# Altium PCB SwitcherBoard.PcbDoc
Units mil, origin at the board's own origin, x right, y up, seen from the top; angles counter-clockwise.
Board outline 2350 x 1600 mil, 2 copper layers (Top Layer, Bottom Layer); 20 components, 23 nets, 55 pads, 0 vias.
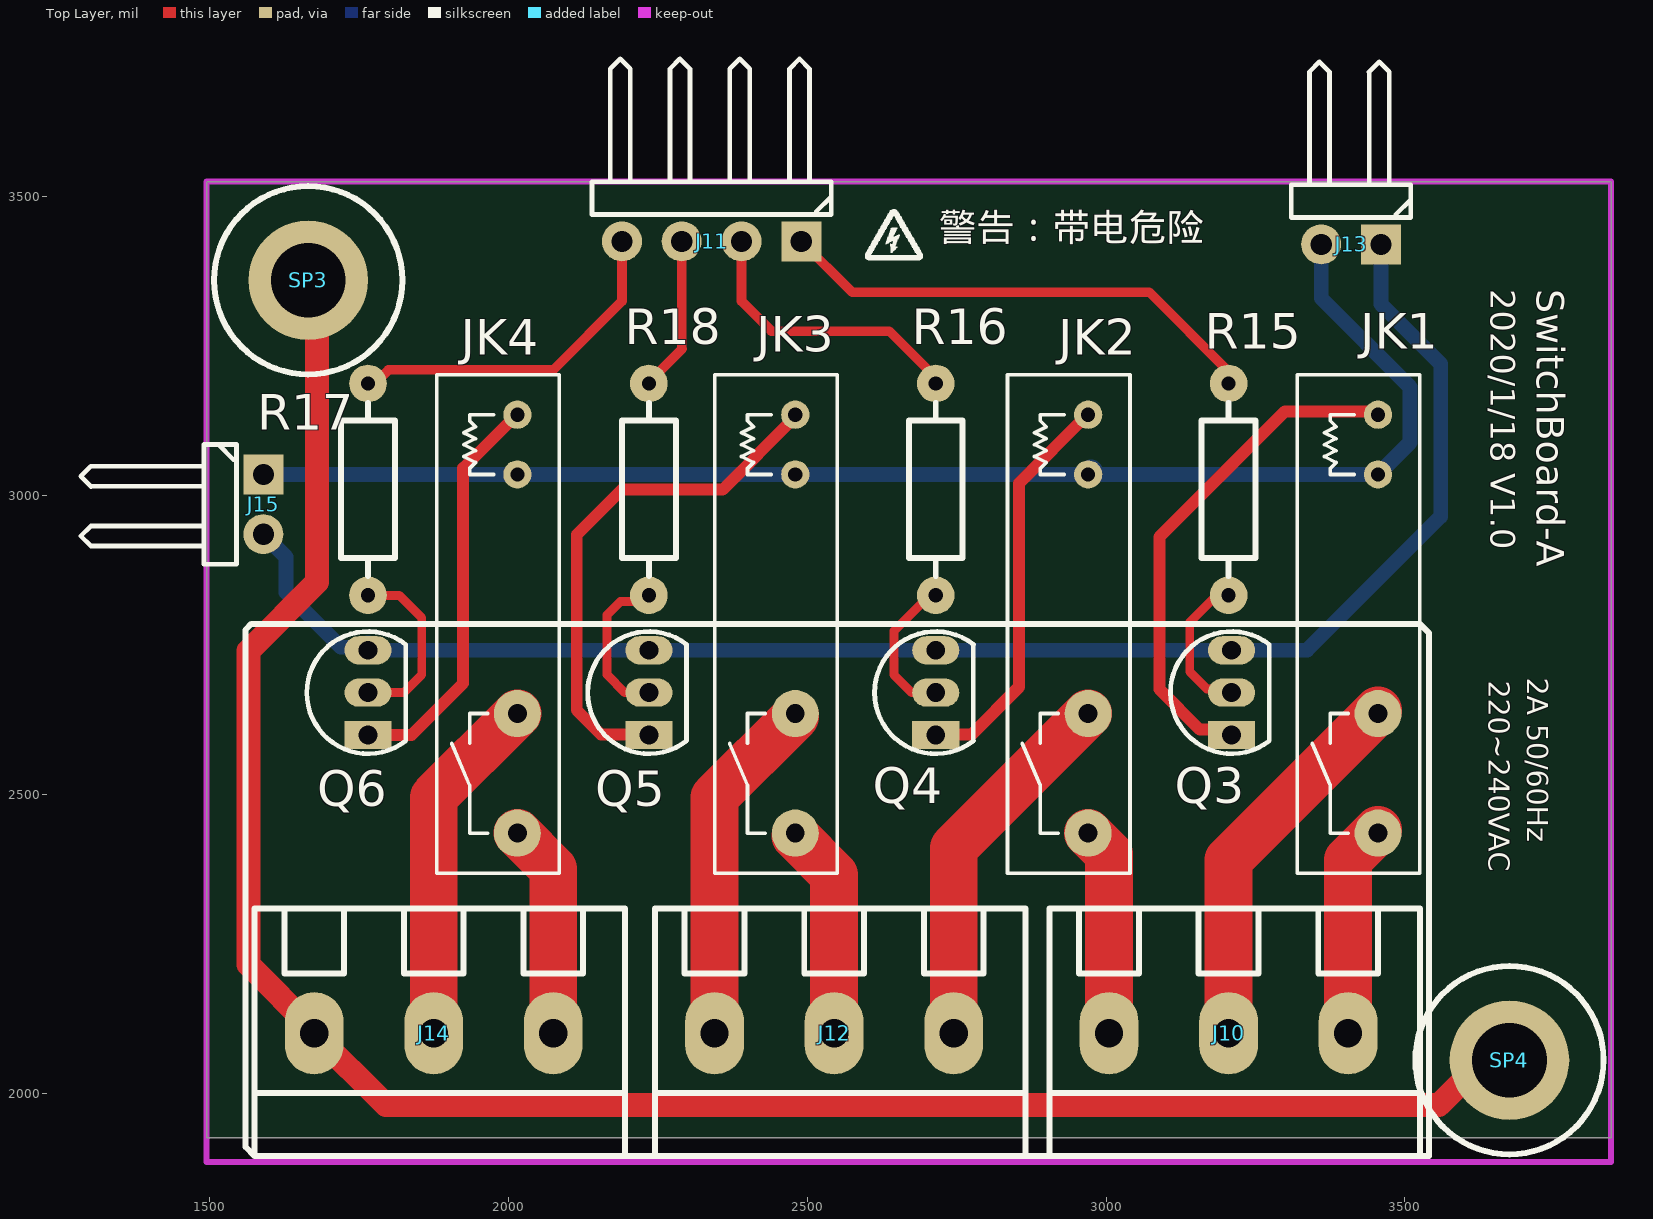
[diagram p0: Top Layer view]
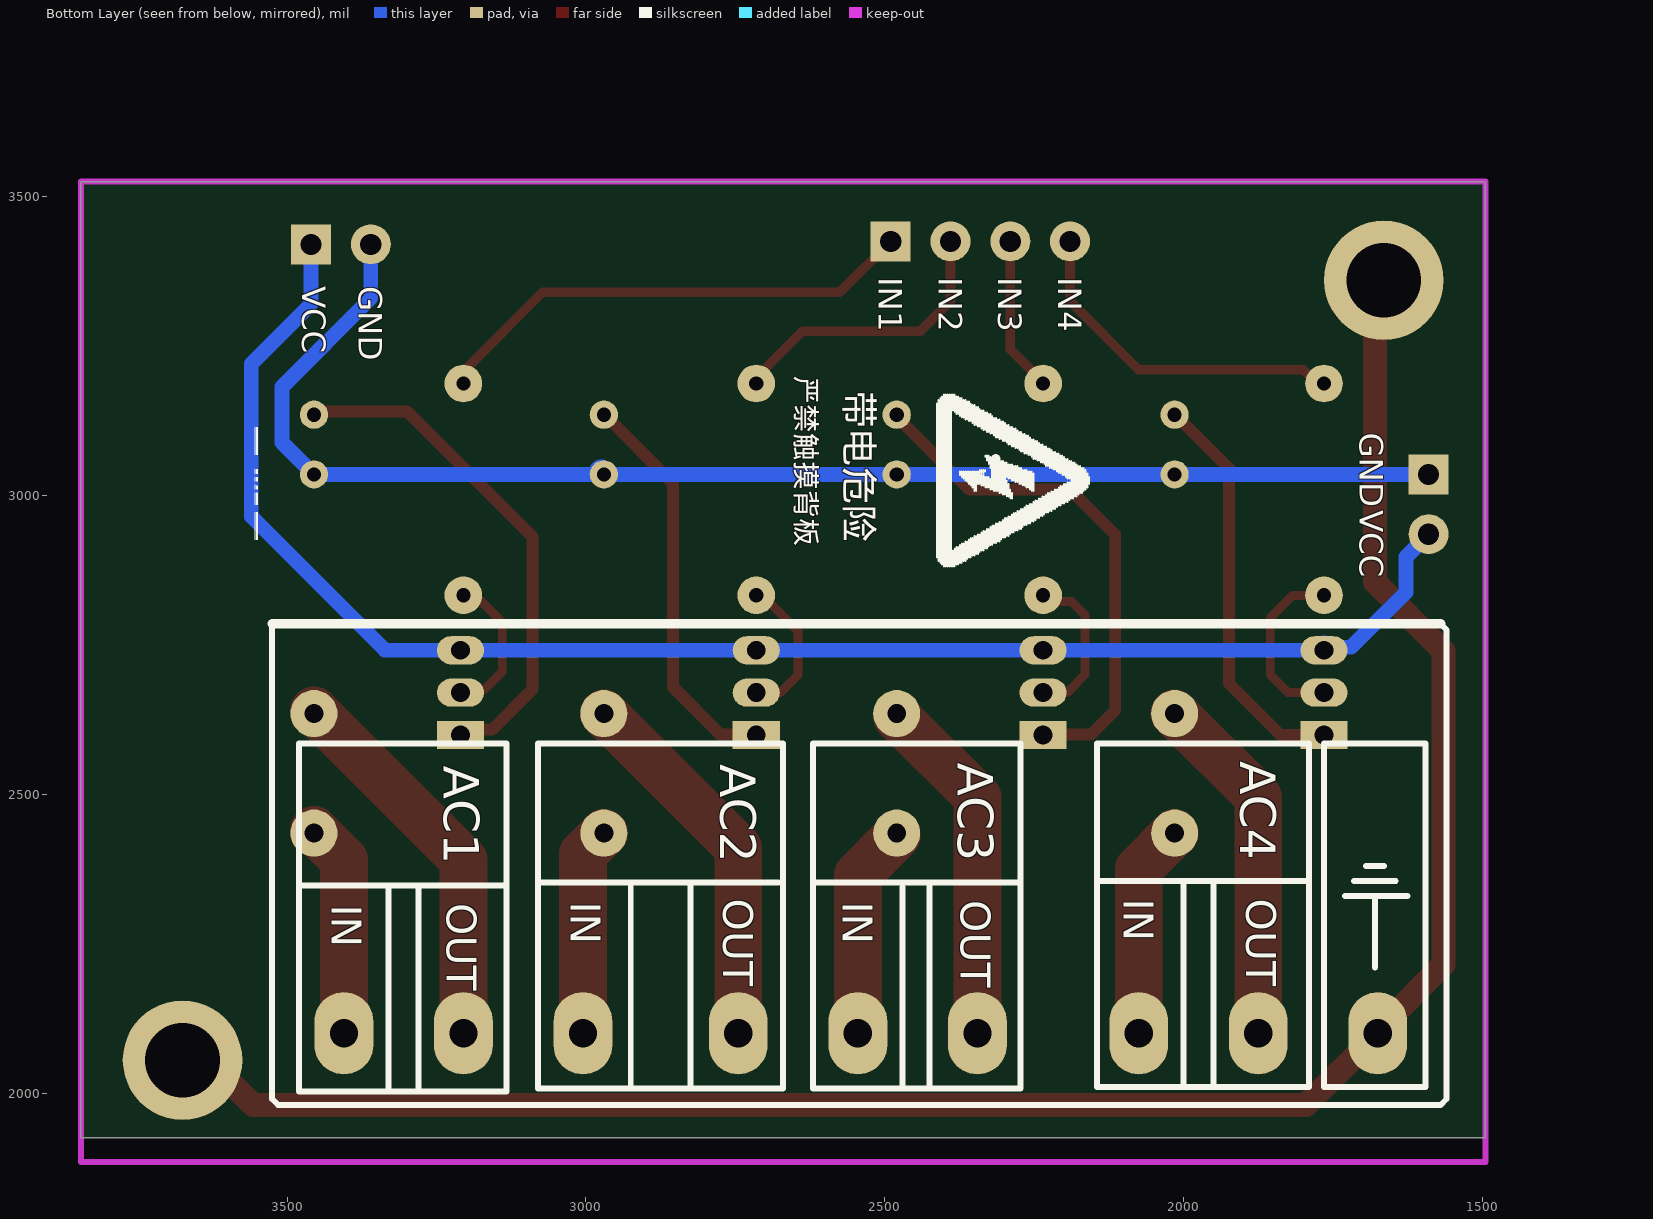
[diagram p1: Bottom Layer view, seen from below]

## Layer stack, top to bottom
Top Solder: solder mask 0.4, Solder Resist, Dk 3.5
Top Layer: signal copper 1.4
Dielectric 1: dielectric 12.6, FR-4, Dk 4.8
Bottom Layer: signal copper 1.4
Bottom Solder: solder mask 0.4, Solder Resist, Dk 3.5

## Board outline
1495,1925 3845,1925 3845,2360 3845,3525 1495,3525

## Design rules (kind name [scope] priority, off if disabled: settings)
Clearance [All] p1: gap=10 ignorepadtopadclearanceinfootprint=FALSE except(0: Arc-Hole Track-Hole SMDPad-Hole THPad-Hole Via-Hole Fill-Hole Poly-Hole Region-Hole Text-Hole)
PolygonConnect [All] p1: connectstyle=Relief reliefconductorwidth=10 reliefentries=4 polygonreliefangle="90 Angle" airgapwidth=10
RoutingVias [All] p1: holewidth=28 width=50 viastyle="Through Hole" minholewidth=28 minwidth=50 maxholewidth=28 maxwidth=50
SolderMaskExpansion [All] p1: expansion=4 istentingtop=FALSE
Width [All] p1: maxlimit=100 minlimit=10 preferedwidth=40 minimp=50.000000 maximp=50.000000 favimp=50.000000
30 further rules are at their usual default settings.

## Components (designator, comment, footprint, x,y, rotation, side; value= is the part's Value field where it differs from the comment)
J10 "CON3" KF128-5.08-3P 3205,2100 r180 top
J11 "CON4" HDR2.54-WI-4P 2340,3425 r180 top
J12 "CON3" KF128-5.08-3P 2545,2100 r180 top
J13 "CON2" HDR2.54-WI-2P 3410,3420 r180 top
J14 "CON3" KF128-5.08-3P 1875,2100 r180 top
J15 "CON2" HDR2.54-WI-2P 1590,2985 r270 top
JK1 "TA-1a 5V" TA-1a 3455,3135 r270 top
JK2 "TA-1a 5V" TA-1a 2970,3135 r270 top
JK3 "TA-1a 5V" TA-1a 2480,3135 r270 top
JK4 "TA-1a 5V" TA-1a 2015,3135 r270 top
Q3 "SS8050" TO92A 3210,2670 r0 top
Q4 "SS8050" TO92A 2715,2670 r0 top
Q5 "SS8050" TO92A 2235,2670 r0 top
Q6 "SS8050" TO92A 1765,2670 r0 top
R15 "1K" "RS 1/4W" 3205,3010 r270 top
R16 "1K" "RS 1/4W" 2715,3010 r270 top
R17 "1K" "RS 1/4W" 1765,3010 r270 top
R18 "1K" "RS 1/4W" 2235,3010 r270 top
SP3 "M3铜柱" M3x4_L 1665,3360 r0 top
SP4 "M3铜柱" M3x4_L 3675,2055 r0 top

## Footprints (in the part's own frame and the unit in brackets; to place one, negate y for a bottom-side part, rotate by r counter-clockwise, add the part's x,y. Pads: shape width x height; smd on the part's side, far side on the other; paste and mask are expansions set on the pad)
HDR2.54-WI-2P [mm] "弯脚排针，2脚"
  rect 1.7x1.7 hole 0.9: 1(-1.27,0)
  round 1.7 hole 0.9: 2(1.27,0)
  silkscreen extent -2.54,-7.76 2.54,-1.14, body extent -2.54,-7.77 2.54,1.27, height 4.85
HDR2.54-WI-4P [mm] "弯脚排针，4脚"
  rect 1.7x1.7 hole 0.9: 1(-3.81,0)
  round 1.7 hole 0.9: 2(-1.27,0) 3(1.27,0) 4(3.81,0)
  silkscreen extent -5.08,-7.76 5.08,-1.14, body extent -5.08,-7.77 5.08,1.27, height 4.85
KF128-5.08-3P [mm] "螺钉式接线端子，脚距5.08mm"
  oval 2.5x3.5 hole 1.2: 1(-5.08,0) 2(0,0) 3(5.08,0)
  silkscreen extent -8.13,-5.31 7.62,5.21, body extent -8.12,-5.3 7.62,5.2, height 14.15
M3x4_L [mil] "M3铜柱，长：4mm"
  round 200 hole 125: 1(0,0)
  silkscreen extent -157,-157 157,157, body extent -106,-93 106,93, height 159
"RS 1/4W" [mm] "直插色环电阻，脚距9mm，直径2.3mm"
  round 1.6 hole 0.6: 1(-4.5,0) 2(4.5,0)
  silkscreen extent -3.68,-1.14 3.68,1.14, body extent -4.72,-1.16 4.73,1.16, height 2.32
TA-1a [mm] "微功耗超薄继电器21mm*5mm*12.5mm(长*宽*高)"
  round 1.2 hole 0.6: 1(0,0) 2(2.54,0)
  round 2 hole 0.8: 3(12.7,0) 4(17.78,0)
  silkscreen extent -1.7,-3.43 19.48,1.78, body extent -1.61,-3.33 19.39,1.67, height 12.55
TO92A [mm] "92晶体管"
  rect 2x1.2 hole 0.8: 1(0,-1.8)
  oval 2x1.2 hole 0.8: 2(0,0) 3(0,1.8)
  silkscreen extent -2.6,-2.6 1.6,2.6, body extent -2.3,-2.3 1.3,2.3, height 7.6

## Part data
J10 J11 J12 J13 J14 J15: "Connector"
JK1 JK2 JK3 JK4: library part TA-1a, "一组常开", BOM名称=一组常开继电器, 学习资源=www.ooocke.com, 版权归属=源创客
Q3 Q4 Q5 Q6: library part 8050-DIP, "高频放大-NPN型", BOM名称=高频放大-NPN型, 学习资源=www.ooocke.com, 属性="40V 1.5A 1W 100MHZ", 版权归属=源创客
R15 R16 R17 R18: library part R-CRR, "直插色环电阻", BOM名称=色环电阻, 学习资源=www.ooocke.com, 版权归属=源创客
SP3 SP4: library part 铜柱小焊盘, "铜柱", BOM名称=铜柱, 学习资源=www.ooocke.com, 版权归属=源创客

## Nets (pads, with @x,y where several pads share a name; then routed paths per layer and width w, separated by ;. In a path a pad name is that pad's centre, name@x,y a point inside that pad or via, vN(x,y) a via of type N, cw(c..) or ccw(c..) an arc to the next point about the centre after c; other vN are vias at no path point)
AC1IN: J10.1 JK1.4 | length 360.7
  Top Layer w80: J10.1 3405,2390 JK1.4@3455,2440
AC1OUT: J10.2 JK1.3 | length 643.6
  Top Layer w80: J10.2 3205,2390 JK1.3@3455,2640
AC2IN: J10.3 JK2.4 | length 349.5
  Top Layer w80: JK2.4 3005,2400 J10.3
AC2OUT: J12.1 JK2.3 | length 628.2
  Top Layer w80: J12.1 2745,2410 JK2.3
AC3IN: J12.2 JK3.4 | length 356.9
  Top Layer w80: JK3.4@2480,2430 2545,2365 J12.2
AC3OUT: J12.3 JK3.3 | length 585.9
  Top Layer w80: J12.3 2345,2495 JK3.3@2480,2630
AC4IN: J14.1 JK4.4 | length 359.9
  Top Layer w80: JK4.4 2075,2375 J14.1
AC4OUT: J14.2 JK4.3 | length 593
  Top Layer w80: J14.2 1875,2495 JK4.3
ACGND: J14.3 SP3.1 SP4.1 | length 3440.2
  Top Layer w40: SP3.1 1680,3345 1680,2855 1565,2740 1565,2215 1675,2105 J14.3 1795,1980 3556.7,1980 3631.7,2055 SP4.1
GND: J13.2 J15.1 JK1.2 JK2.2 JK3.2 JK4.2 | length 2337.2
  Bottom Layer w25: J15.1 JK4.2 JK3.2 JK2.2 JK1.2 3508.62,3088.62 3508.62,3181.38 3360,3330 J13.2
  Bottom Layer w40: JK2.2@2972.35,3037.45 JK2.2@2974.7,3039.89
IN1: J11.1 R15.1 | length 805.2
  Top Layer w16: J11.1 2575,3340 3072.17,3340 R15.1@3205,3207.17
IN2: J11.2 R16.1 | length 478
  Top Layer w16: J11.2 2390,3325 2440,3275 2637.17,3275 R16.1@2715,3197.17
IN3: J11.3 R18.1 | length 264
  Top Layer w16: R18.1@2232.83,3187.17 2290.67,3245 ; 2290,3245 J11.3
  Top Layer w40: R18.1@2232.83,3187.17 R18.1
IN4: J11.4 R17.1 | length 582.1
  Top Layer w16: R17.1 1776.28,3187.17 1799.12,3210 2075,3210 2190,3325 J11.4
NetJK1_1: JK1.1 Q3.1 | length 862.3
  Top Layer w15: Q3.1@3201.05,2608.08 Q3.1 ; JK1.1@3449.36,3140.64 JK1.1
  Top Layer w20: Q3.1@3201.05,2608.08 3156.92,2608.08 3089.36,2675.64 3089.36,2930.64 3299.36,3140.64 JK1.1@3449.36,3140.64
NetJK2_1: JK2.1 Q4.1 | length 676.9
  Top Layer w15: Q4.1 Q4.1@2715.64,2599.77 ; JK2.1@2968.73,3135 JK2.1
  Top Layer w20: Q4.1@2715.64,2599.77 2774.77,2599.77 2854.36,2679.36 2854.36,3020.64 JK2.1@2968.73,3135
NetJK3_1: JK3.1 Q5.1 | length 882.5
  Top Layer w15: Q5.1@2234.36,2599.77 Q5.1 ; JK3.1@2480,3131.27 JK3.1
  Top Layer w20: Q5.1@2234.36,2599.77 2155.23,2599.77 2114.36,2640.64 2114.36,2934.36 2189.64,3009.64 2358.36,3009.64 JK3.1@2480,3131.27
NetJK4_1: JK4.1 Q6.1 | length 683
  Top Layer w15: Q6.1 Q6.1@1765.23,2598.91 ; JK4.1@2013.73,3135 JK4.1
  Top Layer w20: Q6.1@1765.23,2598.91 1837.63,2598.91 1924.36,2685.64 1924.36,3045.64 JK4.1@2013.73,3135
NetQ3_2: Q3.2 R15.2 | length 259.3
  Top Layer w15: R15.2@3205,2852.83 3140,2787.83 3140,2705 3168.83,2676.17 3203.83,2676.17 Q3.2
NetQ4_2: Q4.2 R16.2 | length 254.3
  Top Layer w15: Q4.2 2675,2670 2645,2700 2645,2772.83 R16.2@2715,2842.83
NetQ5_2: Q5.2 R18.2 | length 261.9
  Top Layer w15: Q5.2 2195,2670 2165,2700 2165,2800 2187.83,2822.83 R18.2@2235,2822.83
NetQ6_2: Q6.2 R17.2 | length 310.6
  Top Layer w15: Q6.2 1825,2670 1855,2700 1855,2795 1817.17,2832.83 R17.2
  Top Layer w40: Q6.2@1762.75,2671.39 Q6.2@1764.13,2670 ; Q6.2@1765,2669.13 Q6.2@1764.13,2670 ; Q6.2 Q6.2@1764.13,2670 ; R17.2@1765,2829.42 R17.2
VCC: J13.1 J15.2 Q3.3 Q4.3 Q5.3 Q6.3 | length 2674.3
  Bottom Layer w25: J15.2 1628,2897 1628,2837.87 1720,2745.87 Q6.3@1765,2745.87 ; Q6.3@1770,2740.87 Q5.3 Q4.3 Q3.3 3335.87,2740.87 3560,2965 3560,3220 3460,3320 J13.1
  Bottom Layer w40: Q6.3@1765,2745.87 Q6.3@1770,2740.87

## Keep-outs
Keep-Out Layer:
  lines w10: 1495,1885 1495,3525 3660,3525 3755,3525 3845,3525 3845,2360 3845,1885 1495,1885

## Silkscreen, mask and mechanical layers (free items; w line width, h text height)
Top Overlay:
  drawing of 216 lines, arcs and shapes, not listed
  text "警告：带电危险" at 2720,3410 h80
  text "2020/1/18 V1.0" at 3630,3345 h70 r270
  text "SwitchBoard-A" at 3705,3345 h80 r270
  text "2A 50/60Hz" at 3705,2695 h35 r270
  text "220~240VAC" at 3640,2690 h35 r270
Bottom Overlay:
  drawing of 276 lines, arcs and shapes, not listed
  text "IN4" at 2210,3365 h40 r90
  text "IN3" at 2310,3365 h40 r90
  text "IN2" at 2410,3365 h40 r90
  text "IN1" at 2510,3365 h40 r90
  text "GND" at 3380,3350 h40 r90
  text "VCC" at 3475,3350 h40 r90
  text "严禁触摸背板" at 2660,3200 h60 r90
  text "带电危险" at 2580,3175 h80 r90
  text "GND" at 1705,3105 h40 r90
  text "VCC" at 1705,2975 h40 r90
  text "AC4" at 1905,2555 h60 r90
  text "AC3" at 2377.5,2552.5 h60 r90
  text "AC2" at 2775,2550 h60 r90
  text "AC1" at 3237.5,2547.5 h60 r90
  text "OUT" at 1895,2325 h50 r90
  text "IN" at 2100,2325 h50 r90
  text "OUT" at 2770,2325 h50 r90
  text "OUT" at 2372.5,2322.5 h50 r90
  text "IN" at 2570,2320 h50 r90
  text "IN" at 3025,2320 h50 r90
  text "OUT" at 3232.5,2317.5 h50 r90
  text "IN" at 3425,2315 h50 r90